# KiCad board 8851_HW-U1-VCU118_REV2-0_071417.kicad_pcb (continued)
## Routing (per net, layer and track width the routed paths; a pad name or vN(x,y) marks a point on that pad's centre or on a via; arc(x,y) is an arc through that point) (continued)
VCCINT_ISENSE2: length 26.8
  TOP w0.175: v3(212.21,101.12) 211.96,101.12 211.36,101.73 211.36,102.32
  03_SIG1 w0.17: v3(212.21,101.12) 212.21,101.89 214.56,104.25 224.15,104.25 225.37,103.02 227.27,103.02 228.67,101.62 230.77,101.62 v3(231.92,100.47)
  BOTTOM w0.212: 231.92,101.17 v3(231.92,100.47) 231.92,99.83 231.68,99.59 231.68,99.16
VCCINT_ISENSE3: length 29.8
  TOP w0.175: 211.36,92.07 211.36,91.48 211.96,90.87 v3(212.21,90.87)
  03_SIG1 w0.17: v3(212.21,90.87) 212.52,91.18 213.64,91.18 216.49,94.03 217.09,94.03 219.22,96.17 219.22,101.06 221.1,102.94 224.18,102.94 226.6,100.52 v3(229.42,100.52)
  BOTTOM w0.212: 229.42,101.17 v3(229.42,100.52) 229.55,100.39 229.55,99.16
VCCINT_ISENSE4: length 41.3
  TOP w0.15: 231.68,99.15 231.68,99.63 v3(231.29,100.02) 231.25,100.07 231.25,101.05 231.37,101.16 231.92,101.16
  TOP w0.175: 211.36,81.82 211.36,81.23 211.96,80.62 v3(212.21,80.62)
  03_SIG1 w0.17: v3(212.21,80.62) 212.21,81.74 213.38,82.91 213.38,88.91 215.94,91.48 217.14,91.48 219.77,94.1 219.77,100.8 220.71,101.74 224.54,101.74 226.44,99.85 231.11,99.85 v3(231.29,100.02)
VCCINT_PGOOD: length 118.3
  TOP w0.375: 200.5,168.86 v3(199.62,168.86)
  07_SIG3 w0.375: v3(199.62,168.86) 198.78,168.01 198.78,166.61 197.18,165.02 191.57,165.02 185.26,158.71 185.26,156.81 189.9,152.17 189.9,150.86 191.76,149.01 193.87,149.01 194.94,147.95 196.88,147.95 v3(198.88,145.95)
  20_SIG7 w0.375: v3(198.88,145.95) 198.88,143.3 194.57,139 194.57,131.2 195.97,129.8 198.71,129.8 207.9,120.61 216.82,120.61 219.55,117.89 219.55,109.62 220.72,108.45 225.78,108.45 227.09,107.14 227.09,103.28 227.86,102.51 230.74,102.51 231.07,102.83 v3(231.07,103.15)
  BOTTOM w0.175: v3(231.07,103.15) 231.04,103.17 231.04,103.32 230.98,103.39 230.98,104.63
  BOTTOM w0.375: 200.74,145.81 199.02,145.81 v3(198.88,145.95) 198.88,146.48 198.61,146.74 198.15,146.74
VCCINT_PWM1: length 34.7
  TOP w0.175: 210.37,113.1 210.37,113.12 210.2,113.3 208.76,113.3 v2(208.48,113.02)
  TOP w0.212: 210.37,113.1 210.37,112.57
  03_SIG1 w0.17: v3(235.51,105.36) 225.98,105.36 221.63,109.7 220.62,109.7 219.86,110.47 219.86,111.24 217.88,113.22 214.86,113.22 214.67,113.02 v2(208.48,113.02)
  BOTTOM w0.275: v3(235.51,105.36) 235.35,105.52 234.32,105.52
VCCINT_PWM2: length 4.7
  BOTTOM w0.175: U164.17 232.95,103.92 233.12,103.75 233.68,103.75 234.42,103.01 234.42,102.15 235.67,102.15
VCCINT_PWM3: length 63.4
  TOP w0.175: v2(208.41,92.52) 208.71,92.82 210.18,92.82 210.37,92.63 210.37,92.07
  03_SIG1 w0.17: v3(236.14,106.5) 236.06,106.43 234.92,106.43 233.24,108.11 224.06,108.11 221.92,110.25 221.5,110.25 221.21,110.54 221.21,111.08 221.01,111.28 218.7,113.59 218.7,114.04 218.28,114.46 208.23,114.46 207.02,113.25 207.02,93.91 v2(208.41,92.52)
  BOTTOM w0.175: U164.16 232.45,103.13 231.92,102.59 231.92,102.15 233.17,102.15
  BOTTOM w0.275: 234.32,106.5 234.85,106.5 234.9,106.45 236.08,106.45 v3(236.14,106.5)
VCCINT_PWM4: length 74.7
  TOP w0.175: v2(208.41,82.27) 208.71,82.57 210.18,82.57 210.37,82.38 210.37,81.82
  03_SIG1 w0.17: v2(208.41,82.27) 206.46,84.22 206.46,113.62 208.59,115.74 213,115.74 213.28,115.46 215.81,115.46 216.09,115.75 217.76,115.75 219.25,114.26 219.25,113.82 221.16,111.91 222.67,111.91 223.3,111.28 223.3,110.76 224.64,109.42 232.88,109.42 234.37,107.94 234.37,107.94 235.29,107.02 v3(235.39,107.02)
  BOTTOM w0.15: 230.67,102.15 231.05,102.54 231.27,102.54 232.07,103.33 232.07,103.91 231.96,104.01 U164.15
  BOTTOM w0.175: 234.32,106.99 235.36,106.99 v3(235.39,107.02) ; 229.42,102.15 230.67,102.15
VCCINT_SLAVE_1V8: length 17.4
  TOP w0.375: 206.83,101.49 207.9,101.49 v2(208.22,101.17) 209.38,102.32 209.39,102.32 ; 206.83,111.74 207.9,111.74 v2(208.22,111.42) 209.38,112.57 209.39,112.57 ; 206.83,80.25 206.43,80.25 v3(205.89,80.8) ; 209.39,81.82 209.38,81.82 v2(208.22,80.67) 207.65,81.24 206.83,81.24 ; 206.83,91.24 207.9,91.24 v2(208.22,90.92) 209.38,92.07 209.39,92.07
  BOTTOM w0.15: R167.1 v2(208.22,80.67) ; R1209.1 v2(208.22,101.17) ; R1208.1 v2(208.22,111.42) ; 231.54,114.9 v3(231.54,115.55) ; v2(208.22,90.92) R1210.1
  vias: v2(211.83,118.25) v2(211.83,108) v2(211.83,97.75) v2(211.83,87.5) v3(227.75,91.17) v3(228.62,91.17) v3(229.5,91.17) v3(230.38,93.8) v3(230.38,92.92) v3(230.38,92.05) v3(230.38,91.17) v3(231.25,93.8) v3(231.25,92.92) v3(231.25,92.05) v3(232.12,93.8) v3(233,93.8)
VCCINT_SNS_N: length 107.5
  03_SIG1 w0.133: v3(141.03,102.94) 141.34,103.25 144.85,103.25 147.76,106.16 156.49,106.16 157.52,105.13 166.26,105.13 172.17,111.04 182.81,111.04 185.05,113.27 185.05,115.5 186.31,116.76 186.65,116.76 186.95,117.05 190.08,117.05 190.93,117.9 194.4,117.9 194.87,118.38 210.52,118.38 210.94,118.79 217.54,118.79 218.77,117.56 219.94,116.39 219.94,113.94 220.77,113.11 222.54,113.11 224.01,111.64 224.01,111.19 224.43,110.77 224.94,110.77 v3(225.29,110.42)
  BOTTOM w0.102: 138.74,100.42 139.27,100.95 139.64,100.95 140.5,101.81 140.5,103.05 140.74,103.28 140.92,103.28 141.03,103.17 v3(141.03,102.94)
  BOTTOM w0.175: v3(225.29,110.42) 226.28,110.42 226.59,110.72 227.16,110.72 227.39,110.5 227.39,109.41 227.84,108.96 228.62,108.96
VCCINT_SNS_P: length 116
  03_SIG1 w0.133: v3(225.28,111.4) 224.92,111.05 224.54,111.05 224.29,111.3 224.29,111.76 222.66,113.38 220.88,113.38 220.22,114.05 220.22,116.5 219.04,117.68 217.65,119.07 210.83,119.07 210.41,118.65 194.76,118.65 194.28,118.17 190.82,118.17 189.97,117.33 v3(186.47,117.33) 186.48,117.32 184.78,115.61 184.78,113.39 182.7,111.31 172.06,111.31 166.15,105.4 157.64,105.4 156.6,106.44 147.65,106.44 144.74,103.52 141.36,103.52 v3(141.03,103.85)
  BOTTOM w0.102: v3(141.03,103.85) 141.03,103.61 140.93,103.51 140.64,103.51 140.28,103.14 140.28,101.9 139.55,101.17 139.26,101.17 138.76,101.67 138.74,101.67 ; v3(186.47,117.33) 186.68,117.53 U35.8
  BOTTOM w0.175: 224.04,113.92 224.04,113.13 224.5,112.67 226.28,112.67 228.62,110.34 U164.36 ; 228.62,109.45 227.84,109.45 227.74,109.56 227.74,110.64 227.31,111.07 226.61,111.07 226.28,111.4 v3(225.28,111.4)
VCCINT_TS_FAULTB: length 107
  BOTTOM w0.15: 235.67,104.4 236.05,104.4 236.25,104.2 236.25,99.93 235.95,99.63 235.95,76.9 235.2,76.15 217.43,76.15 214.8,78.77 214.8,79.29 214.21,79.88 213.58,79.88 213.15,79.45 211.1,79.45 209.95,80.6 209.95,87.22 211,88.27 213.47,88.27 214.21,89.01 214.21,89.63 213.48,89.63 213.22,89.38 211.7,89.38 209.95,91.12 209.95,97.58 210.95,98.58 213.68,98.58 214.21,99.11 214.21,99.88 213.6,99.88 213.41,99.69 211.29,99.69 209.82,101.15 209.82,107.5 211.57,109.25 213.95,109.25 214.21,109.51 214.21,110.13
  BOTTOM w0.175: 233.44,104.63 234.29,104.63 234.52,104.4 235.67,104.4
  BOTTOM w0.375: 235.67,103.42 235.01,103.42 v3(234.75,103.67)
VCCINT_VDD_MASTER: length 1.6
  TOP w0.375: 232.79,114.9 v3(232.79,115.69)
  BOTTOM w0.375: 232.79,114.9 v3(232.79,115.69)
VCCINT_VIN_N: length 3.9
  BOTTOM w0.102: R109.1 189.26,117.33 188.84,116.9 188.42,116.9 188.29,117.04 187.59,117.04
  BOTTOM w0.3: v3(188.57,117.88) 188.43,118.02 U35.9
VCCINT_VIN_P: length 3.9
  BOTTOM w0.102: R110.1 189.29,116.2 188.81,116.68 188.42,116.68 188.29,116.54 187.59,116.54
  BOTTOM w0.3: U35.10 v3(186.51,118.51)
VCCINT_VIN_R_N: length 10.6
  TOP w0.175: v3(191.46,117.33) 191.12,116.99 190.18,116.99 189.69,116.49 189.69,113.85 189.21,113.37 187.18,113.37 186.41,112.61 186.41,111.82 186.01,111.42
  BOTTOM w0.102: R109.2 v3(191.46,117.33)
VCCINT_VIN_R_P: length 10.6
  TOP w0.175: v3(191.46,116.2) 191.12,116.54 190.37,116.54 190.14,116.3 190.14,115.64 190.29,115.49 190.56,115.49 190.71,115.33 190.71,115.12 190.56,114.96 190.29,114.96 190.14,114.81 190.14,113.66 189.4,112.92 187.36,112.92 186.86,112.42 186.86,111.82 187.26,111.42
  BOTTOM w0.102: R110.2 v3(191.46,116.2)
VCCINT_VIN_UV: length 15.5
  TOP w0.15: 233.17,102.15 233.17,102.88 232.82,103.22 231.97,103.22 231.55,103.64 v3(231.55,103.7) ; v3(235.74,110.81) R1216.2 235.74,112.8 235.74,114.05
  TOP w0.175: 231.92,102.15 233.17,102.15
  TOP w0.375: C1712.1 R1219.1 v3(234,112.8)
  BOTTOM w0.15: 231.49,103.8 231.49,103.76 v3(231.55,103.7)
  BOTTOM w0.175: U164.14 231.47,103.82 231.49,103.8
  BOTTOM w0.25: 234.32,107.49 235.02,107.49 235.11,107.57 235.9,107.57 236.38,108.05 236.38,110.17 v3(235.74,110.81)
VCCINT_VX1:
  vias: v2(211.83,116.25) v2(211.83,115.25)
VCCINT_VX2:
  vias: v2(211.83,106) v2(211.83,105)
VCCINT_VX3:
  vias: v2(211.83,95.75) v2(211.83,94.75)
VCCINT_VX4:
  vias: v2(211.83,85.5) v2(211.83,84.5)
VCCINTIO_BRAM: length 1.1
  BOTTOM w0.375: v3(200.88,56.13) 201.16,56.42 201.84,56.42
  vias: v3(202.97,52.05) v3(202.97,51.17) v3(203.97,52.92) v3(203.97,52.05) v3(203.97,51.17) v3(204.97,52.92) v3(204.97,52.05) v3(204.97,51.17) v3(205.97,52.92) v3(205.97,52.05) v3(205.97,51.17)
VCCINTIO_BRAM_DH_R: length 16.4
  TOP w0.15: Q19.1 196.12,65.26 v3(195.88,65.5)
  03_SIG1 w0.17: v3(206.94,57.24) 205.58,57.24 197.32,65.5 v3(195.88,65.5)
  BOTTOM w0.375: 206.94,58.01 v3(206.94,57.24)
VCCINTIO_BRAM_DL: length 7.4
  TOP w0.25: v3(200.82,64.27) 200.47,64.62 Q19.7
  03_SIG1 w0.375: v3(200.82,64.27) 202.89,64.27 v3(204.79,62.37)
  BOTTOM w0.25: 206.07,62.76 205.4,62.76 205.02,62.37 v3(204.79,62.37)
VCCINTIO_BRAM_FET_SWITCH: length 16.9
  TOP w0.15: R139.1 208.07,56.18 v3(208.07,57.17)
  BOTTOM w0.25: 206.72,61.12 206.72,60.2 206.14,59.62 206.14,58.24 205.91,58.01 205.32,58.01
  BOTTOM w0.375: 208.07,58.01 v3(208.07,57.17) 208.09,57.15 208.09,56.67 207.72,56.3 205.79,56.3 205.32,56.77 205.32,58.01 204.81,58.01 203.59,59.22 202.64,59.22 202.49,59.37 199.72,59.37
  vias: v3(195.09,63.67) v3(195.09,62.42) v3(195.07,61.35) v3(195.04,60.1) v3(195.72,64.42) v3(195.84,63.17) v3(196.34,62.42) v3(196.34,61.17) v3(196.34,59.92)
VCCINTIO_BRAM_FPGA: length 92
  TOP w0.25: 191.69,59.7 192.22,59.7 192.38,59.55 192.38,59.05 v3(192.62,58.8)
  TOP w0.375: v2(123.26,69.73) 122.77,69.24 ; 189.5,55.62 J21.1 ; J21.1 188.45,56.67 ; J21.1 190.55,56.67 ; J21.1 190.29,55.88 ; J21.1 190.29,57.47 ; J21.1 188.71,57.47 ; J21.1 188.71,55.88 ; J21.1 189.5,57.73 ; 110.96,69.24 v2(110.47,69.73) ; 116.87,55.46 v2(117.36,54.96) ; v2(121.3,54.96) 120.8,55.46 ; v2(115.39,53.98) 115.88,54.47 ; v2(122.28,68.74) 121.79,68.25 ; v2(119.33,54.96) 118.84,55.46 ; v2(109.49,68.74) 109.98,68.25 ; 113.91,68.25 v2(113.42,68.74) ; v2(120.31,53.98) 119.82,54.47 ; v2(118.34,68.74) 117.85,68.25 ; v2(120.31,68.74) 119.82,68.25 ; 111.95,68.25 v2(111.45,68.74) ; v2(115.39,68.74) 115.88,68.25
  05_SIG2 w0.375: J21.1 187.62,54.8 184.6,54.8 183.2,53.4 183.2,51.65 184.23,50.62 184.23,48.33 184,48.1 184,47.28 183.75,47.03 183.75,42.35 v3(183,41.6)
  09_PWR1 w0.375: J21.1 190.29,57.47 ; J21.1 190.29,55.88 ; J21.1 189.5,55.62 ; J21.1 189.5,57.73 ; J21.1 188.71,55.88 ; J21.1 190.55,56.67 ; J21.1 188.45,56.67 ; J21.1 188.71,57.47
  BOTTOM w0.188: 142.44,31.61 142.44,31.97 140,34.41 140,40.35 137.54,42.81 137.54,43.37 137.27,43.64 135.78,43.64 135.57,43.86 135.57,48.42 135.43,48.57 130.01,48.57 129.66,48.91 129.66,49.28 129.39,49.55 125.92,49.55 125.73,49.75 125.73,50.28 125.47,50.53 124.94,50.53 124.74,50.73 124.74,51.25 124.47,51.52 123.96,51.52 123.76,51.72 123.76,52.23 123.49,52.5 123.05,52.5 123.05,52.51 122.77,52.79 122.77,53.22 122.5,53.49 120.8,53.49 v2(120.31,53.98)
  BOTTOM w0.375: C1463.1 148.5,45.17 v3(148.12,45.55) ; C1462.1 148.57,47.55 148.12,47.1 v3(148.12,46.8) 148.5,46.42 C160.1
  vias: v3(182.32,41.62) v3(193.12,53.75) v3(193.12,52.5) v3(193.12,51.25) v3(193.17,54.95) v3(194.29,54.95) v3(194.37,53.75) v3(194.37,52.5) v3(194.37,51.25) v3(195.59,55.92) v3(195.59,54.67) v3(195.59,53.3)
VCCINTIO_BRAM_FPGA_SNS_N: length 110.8
  05_SIG2 w0.133: v3(189.18,66) 189.5,65.68 189.5,65.49 189.37,65.36 188.76,65.36 188.4,65.72 188.4,67.34 191.62,70.55 206.01,70.55 206.1,70.46 206.1,70.37 206.19,70.28 206.36,70.28 206.45,70.37 206.45,70.46 206.54,70.55 206.71,70.55 206.8,70.46 206.8,70.37 206.89,70.28 207.06,70.28 207.15,70.37 207.15,70.46 207.24,70.55 207.86,70.55 208.18,70.23 208.18,69.31 v3(207.74,68.87)
  BOTTOM w0.102: v3(207.74,68.87) 207.72,68.86 207.72,67.92 ; 143.12,31.01 142.9,30.78 142.9,30.49 143.11,30.28 143.62,30.28 144.02,29.88 144.17,29.88 144.44,30.16 144.59,30.16 144.73,30.01 144.73,29.87 144.46,29.59 144.46,29.45 144.6,29.3 144.74,29.3 145.02,29.58 145.17,29.58 145.31,29.44 145.31,29.29 145.03,29.01 145.03,28.87 145.25,28.65 148.64,28.65 150.6,30.61 150.6,37.61 152.94,39.94 162.74,39.94 166.36,43.56 166.36,48.2 174.97,56.81 174.97,59.93 176.32,61.29 176.32,64.96 178.3,66.93 183.31,66.93 185.12,65.12 189.42,65.12 189.53,65.23 189.53,65.66 v3(189.18,66) ; 207.21,65.88 207.21,66.57 208.02,67.37 208.02,67.63 207.72,67.92 ; 207.72,67.92 206.58,67.92
  BOTTOM w0.375: C175.1 v3(205.6,67.06)
VCCINTIO_BRAM_FPGA_SNS_P: length 132.7
  05_SIG2 w0.133: v3(191.5,61.67) 192.21,62.39 192.21,66.29 194.23,68.3 208.35,68.3 v3(208.84,68.8) 208.45,69.19 208.45,70.35 207.97,70.83 191.5,70.83 188.12,67.45 188.12,65.61 188.65,65.09 189.48,65.09 189.78,65.38 189.78,65.68 v3(190.09,66)
  BOTTOM w0.102: v3(191.5,61.67) 191.95,61.22 191.95,60.66 ; v3(190.09,66) 189.75,65.66 189.75,65.13 189.52,64.9 185.03,64.9 183.22,66.71 178.39,66.71 176.55,64.86 176.55,61.2 175.19,59.84 175.19,56.71 166.59,48.11 166.59,43.47 162.84,39.72 153.03,39.72 150.83,37.52 150.83,30.52 148.74,28.43 145.16,28.43 143.53,30.05 143.02,30.05 142.67,30.4 142.67,30.8 142.44,31.03 ; 207.7,65.88 207.7,66.67 208.2,67.17 208.44,67.17 208.71,67.44 208.71,67.92 208.71,68.67 v3(208.84,68.8)
VCCINTIO_BRAM_FPGA_VIN: length 3
  TOP w0.15: 190.71,59.12 v3(190.71,58.47)
  BOTTOM w0.15: 190.96,60.66 190.96,59.89 190.71,59.63 C127.1 v3(190.71,58.47)
VCCINTIO_BRAM_PGOOD: length 150.4
  TOP w0.375: v3(199.79,155.59) 199.75,155.63 199.75,157.06 ; 193,168.86 v3(192.07,168.86)
  03_SIG1 w0.375: v3(205.93,153.95) 202.69,153.95 202.05,154.59 202.05,155.35 199.1,158.3 199.1,160.45 199.6,160.95 199.6,164.95 201.03,166.38 201.03,169.1 199.97,170.15 193.37,170.15 v3(192.07,168.86)
  05_SIG2 w0.375: v3(210.82,66.62) 211.19,66.26 211.72,66.26 212.91,67.45 212.91,70.71 212.01,71.62 210.33,71.62 203.4,78.55 203.4,127.97 202.18,129.2 202.18,135.6 207.05,140.48 207.05,151.18 205.93,152.3 v3(205.93,153.95)
  18_SIG6 w0.375: v3(192.07,168.86) 192.07,167.57 193.72,165.92 193.72,159.83 198.65,154.91 199.15,154.91 199.79,155.55 v3(199.79,155.59)
  BOTTOM w0.25: 210.16,65.88 210.16,66.1 210.69,66.62 v3(210.82,66.62)
  BOTTOM w0.375: 199.79,156.61 v3(199.79,155.59)
VCCINTIO_BRAM_TEMPX: length 22.5
  BOTTOM w0.25: 210.82,62.27 211.32,62.27 212.19,61.4 212.19,60.88 212.58,60.5 C188.1 213.24,60.26 213.24,59.34 208.97,55.06 207.72,55.06 206.88,54.22 200.45,54.22 199.87,54.81 199.87,55.66 199.87,56.45 Q20.2
VCCINTIO_BRAM_VIN: length 3
  TOP w0.15: 191.69,59.12 v3(191.69,58.47)
  BOTTOM w0.15: v3(191.69,58.47) C127.2 191.69,59.61 191.46,59.84 191.46,60.66
VCCPLL: length 2.1
  TOP w0.375: 17.23,134.81 v6(17.62,135.21) ; U111.F5 v6(12.9,134.42)
  BOTTOM w0.375: C794.1 v3(16.89,139.41)
1N1524: length 0.9
  TOP w0.15: J2.B1 v3(174.15,157)
1N1551: length 0.9
  TOP w0.15: J2.D34 v3(132.9,159.5)
1N1554: length 0.9
  TOP w0.15: J2.B40 v3(125.4,157)
1N4342: length 0.9
  TOP w0.15: J2.A2 v3(172.9,155.75)
1N4343: length 0.9
  TOP w0.15: J2.A18 v3(152.9,155.75)
1N4344: length 0.9
  TOP w0.15: J2.A3 v3(171.65,155.75)
1N4345: length 0.9
  TOP w0.15: J2.A27 v3(141.65,155.75)
1N4346: length 0.9
  TOP w0.15: J2.A26 v3(142.9,155.75)
1N4347: length 0.9
  TOP w0.15: J2.A7 v3(166.65,155.75)
1N4348: length 0.9
  TOP w0.15: J2.A23 v3(146.65,155.75)
1N4349: length 0.9
  TOP w0.15: J2.A6 v3(167.9,155.75)
1N4350: length 0.9
  TOP w0.15: J2.A11 v3(161.65,155.75)
1N4351: length 0.9
  TOP w0.15: v3(151.65,155.75) J2.A19
1N4352: length 0.9
  TOP w0.15: J2.A14 v3(157.9,155.75)
1N4353: length 0.9
  TOP w0.15: J2.A15 v3(156.65,155.75)
1N4354: length 0.9
  TOP w0.15: J2.A10 v3(162.9,155.75)
1N4355: length 0.9
  TOP w0.15: J2.A22 v3(147.9,155.75)
1N4377: length 0.9
  TOP w0.15: J2.A30 v3(137.9,155.75)
1N4378: length 0.9
  TOP w0.15: J2.A31 v3(136.65,155.75)
1N4379: length 0.9
  TOP w0.15: J2.A35 v3(131.65,155.75)
1N4380: length 0.9
  TOP w0.15: J2.A34 v3(132.9,155.75)
1N4381: length 0.9
  TOP w0.15: J2.A39 v3(126.65,155.75)
1N4383: length 0.9
  TOP w0.15: J2.A38 v3(127.9,155.75)
1N4399: length 0.9
  TOP w0.15: J2.B4 v3(170.4,157)
1N4400: length 0.9
  TOP w0.15: J2.B5 v3(169.15,157)
1N4401: length 0.9
  TOP w0.15: J2.B9 v3(164.15,157)
1N4402: length 0.9
  TOP w0.15: J2.B8 v3(165.4,157)
1N4403: length 0.9
  TOP w0.15: J2.B13 v3(159.15,157)
1N4404: length 0.9
  TOP w0.15: J2.B16 v3(155.4,157)
1N4405: length 0.9
  TOP w0.15: J2.B17 v3(154.15,157)
1N4406: length 0.9
  TOP w0.15: J2.B12 v3(160.4,157)
1N4423: length 0.9
  TOP w0.15: J2.B24 v3(145.4,157)
1N4424: length 0.9
  TOP w0.15: J2.B25 v3(144.15,157)
1N4425: length 0.9
  TOP w0.15: J2.B29 v3(139.15,157)
1N4426: length 0.9
  TOP w0.15: J2.B28 v3(140.4,157)
1N4427: length 0.9
  TOP w0.15: J2.B33 v3(134.15,157)
1N4428: length 0.9
  TOP w0.15: J2.B36 v3(130.4,157)
1N4429: length 0.9
  TOP w0.15: J2.B37 v3(129.15,157)
1N4430: length 0.9
  TOP w0.15: J2.B32 v3(135.4,157)
1N4447: length 0.9
  TOP w0.15: J2.C2 v3(172.9,158.25)
1N4448: length 0.9
  TOP w0.15: J2.C3 v3(171.65,158.25)
1N4449: length 0.9
  TOP w0.15: J2.C7 v3(166.65,158.25)
1N4450: length 0.9
  TOP w0.15: J2.C6 v3(167.9,158.25)
1N4611: length 0.9
  TOP w0.15: J2.D4 v3(170.4,159.5)
1N4612: length 0.9
  TOP w0.15: J2.D5 v3(169.15,159.5)
1N4617: length 0.9
  TOP w0.15: J2.B20 v3(150.4,157)
1N4618: length 0.9
  TOP w0.15: J2.B21 v3(149.15,157)
4N2355: length 1.9
  BOTTOM w0.15: 167.85,25.28 168.4,25.28 168.6,25.47 168.61,25.47 169.64,25.47
4N2356: length 4.3
  TOP w0.138: v3(219.4,169.29) 219.43,169.26 219.43,168.31 ; v3(221.62,166.97) 222.84,166.97 DS2.4
  BOTTOM w0.15: 222.63,166.88 221.71,166.88 v3(221.62,166.97) ; 219.26,168.37 219.26,169.15 v3(219.4,169.29)
4N2358: length 255
  TOP w0.138: 130.14,15.97 130.45,15.97 130.62,16.15 130.62,16.33 130.93,16.62 131.82,16.62 132.18,16.27 v3(132.18,15.7)
  TOP w0.375: v3(127.03,14.6) 127.3,14.6 127.37,14.68 U53.3
  07_SIG3 w0.17: v3(132.18,15.7) 132.74,16.27 140.87,16.27 141.6,15.53 145.67,15.53 146.11,15.98 150.5,15.98 151.56,17.03 157.15,17.03 157.91,16.27 159.85,16.27 160.17,16.59 166.42,16.59 167,17.18 170.15,17.18 174.85,21.88 183.11,21.88 184.02,20.98 185.39,20.98 186.29,21.88 189.04,21.88 194.25,16.68 195.98,16.68 200.25,20.94 204.56,20.94 211.86,28.24 211.86,33.94 213.22,35.3 213.22,43.39 215.08,45.25 215.08,57.16 213.15,59.08 213.15,74.31 213.83,74.99 213.83,77.47 212.04,79.25 208.32,79.25 206.76,80.81 206.76,126.55 208.12,127.91 208.12,130.72 207.07,131.78 207.07,133.53 209.95,136.4 209.95,144.2 210.89,145.14 210.89,149.78 212.43,151.33 212.43,153.06 214.42,155.05 214.9,155.05 215.53,155.68 215.53,156.15 216.53,157.16 216.53,158.65 216.3,158.88 216.3,161.05 216.82,161.58 216.82,162.35 219.6,165.12 219.6,166.65 v3(221.33,168.37)
  BOTTOM w0.15: 222.63,167.86 221.83,167.86 v3(221.33,168.37) 220.24,168.37
  BOTTOM w0.375: 129,14.34 127.29,14.34 v3(127.03,14.6)
4N4374: length 2.2
  TOP w0.15: R554.1 J78.1
4N4376: length 2.2
  TOP w0.15: R553.1 24.58,83.9
4N4692: length 1.3
  BOTTOM w0.15: 169.64,23.6 169.64,22.92 v3(169.22,22.5)
4N6788: length 2.5
  TOP w0.15: v3(225.93,167.03) 225.6,167.35 224.85,167.35
  BOTTOM w0.15: 224.85,167.64 225.31,167.64 v3(225.93,167.03)
4N6800: length 16.4
  16_SIG5 w0.087: v3(225.9,168.18) 218.47,160.74 218.47,159.54 217.25,158.32 v3(217.25,157.36)
  BOTTOM w0.15: Q2.3 v3(217.25,157.36) ; v3(225.9,168.18) 225.45,168.63 224.85,168.63
5N11680: length 0.7
  TOP w0.15: v2(126.22,70.71) 125.73,70.22
5N11683: length 0.7
  TOP w0.15: 129.66,77.11 v2(130.15,77.6)
6N5608: length 0.7
  TOP w0.15: v2(124.25,67.76) 123.76,67.27
7N8237: length 0.7
  TOP w0.15: v2(101.61,55.95) 102.1,56.44
8N9313: length 4.9
  BOTTOM w0.15: 177.12,38.67 177.61,38.67 177.75,38.8 177.75,39.66 177.59,39.81 176.49,39.81 176.06,40.24 174.64,40.24
8N9315: length 6.1
  TOP w0.15: 169.12,40.06 169.74,40.06 170.12,39.67 171.12,39.67 v3(171.5,40.05) 171.49,40.06 R217.2
  BOTTOM w0.15: 169.36,39.61 171.06,39.61 v3(171.5,40.05)
8N9317: length 3.7
  TOP w0.15: v3(176.03,38.55) 175.8,38.78 175.12,38.78 R213.2
  BOTTOM w0.15: v3(176.03,38.55) 176,38.58 176,38.67 175.69,38.99 174.64,38.99
8N9319: length 3.5
  TOP w0.15: R208.2 175.12,39.81 175.61,39.81 v3(175.99,39.44)
  BOTTOM w0.15: 174.64,39.61 175.81,39.61 v3(175.99,39.44)
8N9384: length 3.2
  BOTTOM w0.15: 169.36,38.36 168.49,38.36 168.05,37.92 R221.2 167.37,38.96
8N9386: length 3.4
  BOTTOM w0.15: R220.2 167.37,39.99 167.48,39.99 168.49,38.99 169.36,38.99
8N9847: length 0.7
  TOP w0.15: 123.76,58.41 v2(124.25,57.92)
8N9851: length 0.7
  TOP w0.15: v2(139.01,60.87) 138.52,61.36
8N9854: length 0.7
  TOP w0.15: v2(138.03,60.87) 137.54,61.36
8N9858: length 0.7
  TOP w0.15: v2(138.03,59.88) 137.54,60.38
8N9859: length 0.7
  TOP w0.15: v2(139.01,59.88) 138.52,60.38
8N9863: length 0.7
  TOP w0.15: 127.69,58.41 v2(128.19,57.92)
8N9865: length 0.7
  TOP w0.15: v2(126.22,59.88) 125.73,60.38
8N9870: length 0.7
  TOP w0.15: 127.69,59.39 v2(128.19,58.9)
8N9871: length 0.7
  TOP w0.15: v2(132.12,57.92) 131.63,58.41
8N9873: length 0.7
  TOP w0.15: 138.52,58.41 v2(139.01,57.92)
8N9880: length 0.7
  TOP w0.15: v2(137.04,60.87) 136.55,61.36
8N9881: length 0.7
  TOP w0.15: 136.55,58.41 v2(137.04,57.92)
8N9882: length 0.7
  TOP w0.15: v2(137.04,58.9) 136.55,59.39
8N9883: length 0.7
  TOP w0.15: v2(138.03,58.9) 137.54,59.39
8N9884: length 0.7
  TOP w0.15: v2(136.06,60.87) 135.57,61.36
8N9885: length 0.7
  TOP w0.15: 137.54,58.41 v2(138.03,57.92)
8N9894: length 0.7
  TOP w0.15: 129.66,58.41 v2(130.15,57.92)
8N9895: length 0.7
  TOP w0.15: 131.63,61.36 v2(132.12,60.87)
8N9896: length 0.7
  TOP w0.15: 127.69,60.38 v2(128.19,59.88)
8N9897: length 0.7
  TOP w0.15: 127.69,61.36 v2(128.19,60.87)
8N9910: length 0.7
  TOP w0.15: 129.66,60.38 v2(130.15,59.88)
8N9911: length 0.7
  TOP w0.15: 130.65,61.36 v2(131.14,60.87)
8N9912: length 0.7
  TOP w0.15: 129.66,59.39 v2(130.15,58.9)
8N9913: length 0.7
  TOP w0.15: v2(133.11,57.92) 132.62,58.41
8N9914: length 0.7
  TOP w0.15: 130.65,59.39 v2(131.14,58.9)
8N9915: length 0.7
  TOP w0.15: 130.65,60.38 v2(131.14,59.88)
8N9916: length 0.7
  TOP w0.15: 133.6,60.38 v2(134.09,59.88)
8N9917: length 0.7
  TOP w0.15: 132.62,59.39 v2(133.11,58.9)
8N9918: length 0.7
  TOP w0.15: 131.63,59.39 v2(132.12,58.9)
8N9919: length 0.7
  TOP w0.15: v2(134.09,57.92) 133.6,58.41
8N9920: length 0.7
  TOP w0.15: 132.62,60.38 v2(133.11,59.88)
8N9921: length 0.7
  TOP w0.15: v2(135.08,57.92) 134.58,58.41
8N9928: length 0.7
  TOP w0.15: v2(136.06,58.9) 135.57,59.39
8N9929: length 0.7
  TOP w0.15: v2(136.06,59.88) 135.57,60.38
8N9930: length 0.7
  TOP w0.15: 134.58,60.38 v2(135.08,59.88)
8N9931: length 0.7
  TOP w0.15: 132.62,61.36 v2(133.11,60.87)
8N9932: length 0.7
  TOP w0.15: 134.58,59.39 v2(135.08,58.9)
8N9933: length 0.7
  TOP w0.15: 133.6,61.36 v2(134.09,60.87)
8N9935: length 0.7
  TOP w0.15: v2(124.25,59.88) 123.76,60.38
9N9684: length 0.7
  TOP w0.15: 103.09,77.11 v2(102.6,77.6)
9N9688: length 0.7
  TOP w0.15: 108.01,77.11 v2(107.52,77.6)
9N9690: length 0.7
  TOP w0.15: v2(110.47,71.7) 110.96,71.2
9N9738: length 0.7
  TOP w0.15: 120.8,71.2 v2(121.3,71.7)
9N9739: length 0.7
  TOP w0.15: v2(125.23,72.68) 124.74,72.19
9N10300: length 0.7
  TOP w0.15: v2(111.45,72.68) 111.95,72.19
9N10301: length 0.7
  TOP w0.15: 109.98,73.17 v2(109.49,73.66)
9N10302: length 0.7
  TOP w0.15: 109.98,72.19 v2(109.49,72.68)
9N10303: length 0.7
  TOP w0.15: 108.99,72.19 v2(108.5,72.68)
9N10304: length 0.7
  TOP w0.15: v2(112.44,72.68) 112.93,72.19
9N10308: length 0.7
  TOP w0.15: 108.99,71.2 v2(108.5,71.7)
9N10384: length 0.7
  TOP w0.15: v2(103.58,79.57) 104.07,79.08
9N10385: length 0.7
  TOP w0.15: 105.06,78.09 v2(104.56,78.59)
9N10740: length 0.7
  TOP w0.15: 108.01,74.16 v2(107.52,74.65)
9N10741: length 0.7
  TOP w0.15: 108.99,74.16 v2(108.5,74.65)
10N8170: length 0.7
  TOP w0.15: 124.74,57.42 v2(125.23,56.93)
10N8224: length 0.7
  TOP w0.15: 134.58,52.5 v2(135.08,52.01)
10N8836: length 0.7
  TOP w0.15: v2(128.19,55.95) 127.69,56.44
10N8842: length 0.7
  TOP w0.15: v2(132.12,56.93) 131.63,57.42 131.63,57.42
10N8984: length 0.7
  TOP w0.15: v2(137.04,51.03) 136.55,51.52
10N8985: length 0.7
  TOP w0.15: v2(136.06,51.03) 135.57,51.52
10N8987: length 0.7
  TOP w0.15: v2(138.03,51.03) 137.54,51.52
10N8988: length 0.7
  TOP w0.15: v2(138.03,48.07) 137.54,48.57
10N8989: length 0.7
  TOP w0.15: v2(138.03,49.06) 137.54,49.55
10N8990: length 0.7
  TOP w0.15: v2(137.04,48.07) 136.55,48.57
10N8992: length 0.7
  TOP w0.15: v2(138.03,50.04) 137.54,50.53
10N8994: length 0.7
  TOP w0.15: v2(137.04,49.06) 136.55,49.55
10N9224: length 0.7
  TOP w0.15: v2(130.15,54.96) 129.66,55.46
10N9225: length 0.7
  TOP w0.15: 125.73,54.47 v2(126.22,53.98)
10N9226: length 0.7
  TOP w0.15: 125.73,55.46 v2(126.22,54.96)
10N9228: length 0.7
  TOP w0.15: v2(130.15,53.98) 129.66,54.47
10N9606: length 0.7
  TOP w0.15: 134.58,49.55 v2(135.08,49.06)